# KiCad board fieldRadio_1.1.kicad_pcb (continued)
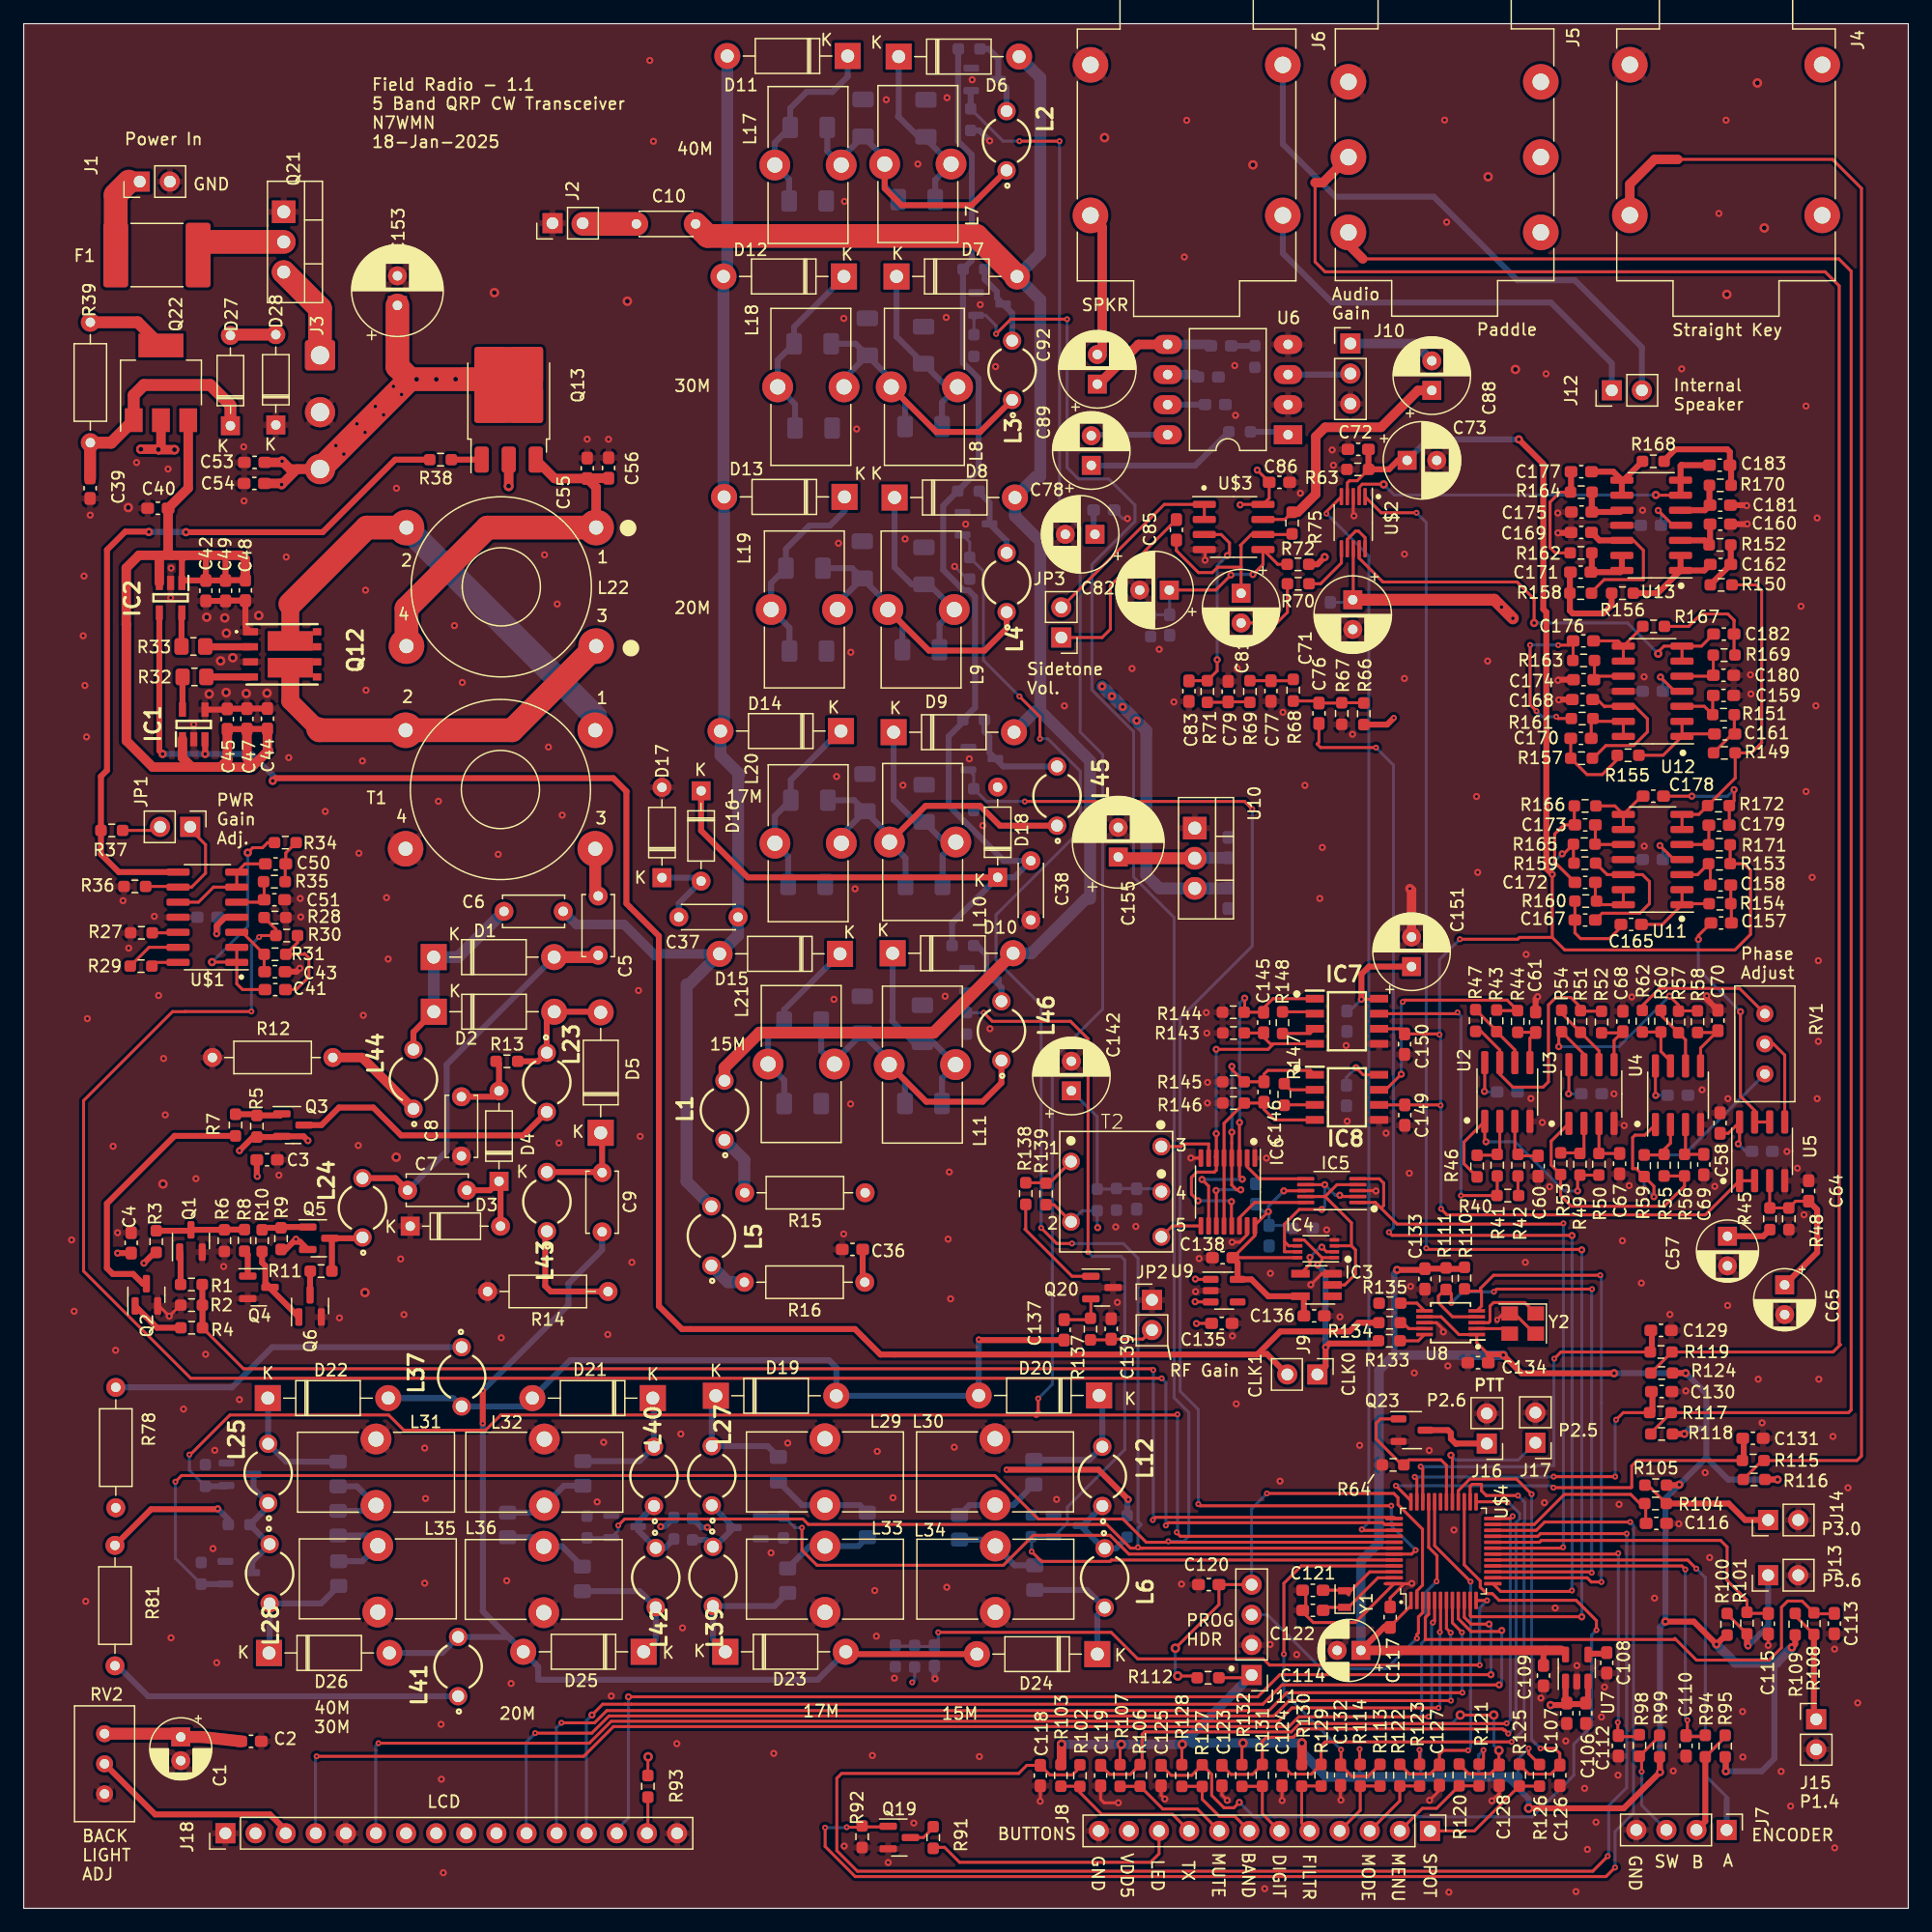
[diagram p0: board, top side]
## Nets (continued)
/Audio/audio_out: C92.2 J6.T
/Audio/audio_wide: C183.2 U13.6 U13.7 U$2.2
/Audio/filt_sel: U$2.1 U$4.11
/Audio/mute: U$2.5 U$4.39
/Audio/SIDETONE: C76.2 U$4.13
/Audio/vbias: C72.1 C73.1 C149.1 C150.2 IC7.6 IC8.6 R63.2 R153.1 R159.1 R165.1 R171.1 U5.1 U5.2 U$2.4
/AudioFilters/HPLP Filters/in: C157.1 U5.6 U5.7
/AudioFilters/I: IC7.7 R40.1 R41.1
/AudioFilters/Q: IC8.7 R43.1 R44.1
/BTN_BAND_SEL: J8.7 R127.1 R128.1
/BTN_DIGIT_SEL: J8.6 R131.1 R132.1
/BTN_FILTER_SEL: J8.5 R129.1 R130.1
/BTN_MENU: J8.2 R120.1 R121.2
/BTN_MODE: J8.3 R122.1 R123.1
/BTN_MUTE: J8.8 R106.2 R107.2
/BTN_NOT_USED: J8.4 R113.2 R114.2
/BTN_SPOT: J8.1 R125.1 R126.1
/BTN_TXMODE: J8.9 R102.2 R103.2
/clock/CLK1: IC1.3 IC2.4 J9.2 R134.2
/clock/CLK2: R135.2
/clock/SCL: R111.2 U8.4 U$4.15
/clock/SDA: R110.2 U8.5 U$4.14
/controller/CWTX_OUT: R28.1 R30.2 U$4.38
/controller/P1.4: J15.1 R108.1 R109.1
/controller/P3.0: J14.1 R104.1 R105.1
/controller/P5.6: J13.1 R100.1 R101.1
/controller/SIDEBAND_SEL: IC5.1 IC5.5 U$4.19
/ENCODER_A: J7.1 R96.1 R97.2
/ENCODER_B: J7.2 R94.1 R95.2
/ENCODER_SW: J7.3 R98.1 R99.2
/LCD_A: J18.15 R93.2
/LCD_DB4: J18.11 U$4.7
/LCD_DB5: J18.12 U$4.8
/LCD_DB6: J18.13 U$4.9
/LCD_DB7: J18.14 U$4.10
/LCD_E: J18.6 U$4.6
/LCD_RS: J18.4 U$4.5
/LCD_VO: J18.3 RV2.2
/LPF/antenna: C10.1 J2.2
/LPF/HV: C38.1 D16.1 D18.1 R17.2 R18.2 R19.2 R20.2 R21.2
/LPF/trswitch: C6.2 C37.2 D11.2 D12.2 D13.2 D14.2 D15.2 L5.2
/PADDLE_DAH: J5.T R117.2 R118.2
/PADDLE_DIT: J5.R R119.2 R124.2
/powerInput/PWR_IN: F1.1 J1.1
/powerInput/PWR_SWTCH: J3.1 Q21.3
/Preselector/input: C9.2 D23.2 D24.2 D25.2 D26.2 L41.2
/qsd/0-DEG: C145.2 IC6.6 IC6.13 IC7.4 R143.2
/qsd/90-DEG: C146.1 IC6.5 IC6.12 IC8.4 R146.2
/qsd/180-DEG: C145.1 IC6.3 IC6.10 IC7.1 R144.2
/qsd/270-DEG: C146.2 IC6.4 IC6.11 IC8.1 R145.2
/qsd/CLK0: IC4.1 IC4.5 J9.1 R133.2
/qsd/ICLK: IC5.10 IC6.14
/qsd/P0: IC4.6 IC4.7 IC5.2 IC5.7
/qsd/P1: IC3.2 IC4.3 IC5.4 IC5.9
/qsd/QCLK: IC5.6 IC6.2
/qsd/rf_in: C137.2 D19.2 D20.2 D21.2 D22.2 L37.2
/STRAIGHT_KEY: J4.T R115.2 R116.2
/TRSwitch/power_amp: C5.1 T1.3
/TRSwitch/~{T}/R: R1.1 R2.2 R4.1 U$4.37
/TX_LED: J8.10 R91.2
Net-(C16-Pad1): C16.1 C21.1 C26.2 L2.1 L7.1 L17.2
Net-(C17-Pad1): C17.1 C22.1 C27.2 L3.1 L8.1 L18.2
Net-(C18-Pad1): C18.1 C23.1 C28.2 L4.1 L9.1 L19.2
Net-(C19-Pad1): C19.1 C24.1 C29.2 L10.1 L20.2 L45.1
Net-(C20-Pad1): C20.1 C25.1 C30.2 L11.1 L21.2 L46.1
Net-(C41-Pad1): C41.1 R30.1 R31.2
Net-(C50-Pad1): C50.1 R34.1 R35.2
Net-(C76-Pad1): C76.1 R66.1 R67.2 R68.1
Net-(C77-Pad2): C77.2 R68.2 R69.1
Net-(C79-Pad2): C79.2 R69.2 R71.1
Net-(C81-+): C81.1 C85.2 R75.1 U$3.6
Net-(C81--): C81.2 R70.2
Net-(C82-+): C82.1 C84.2 R72.2 R73.1 U$3.5
Net-(C85-Pad1): C85.1 JP3.1
Net-(C88-+): C88.1 R75.2 U$3.7
Net-(C88--): C88.2 J10.1
Net-(C89-+): C89.1 R76.2
Net-(C89--): C89.2 U6.8
Net-(C91-Pad1): C91.1 R77.1
Net-(C92-+): C91.2 C92.1 U6.5
Net-(C93-Pad1): C93.1 C97.2 L29.1
Net-(C94-Pad1): C94.1 C98.2 L30.1
Net-(C95-Pad1): C95.1 C99.2 L31.1
Net-(C100-Pad1): C100.1 C104.2 L36.1
Net-(C100-Pad2): C96.1 C100.2 L32.1
Net-(C101-Pad2): C97.1 C101.2 L33.1
Net-(C102-Pad2): C98.1 C102.2 L34.1
Net-(C103-Pad2): C99.1 C103.2 L35.1
Net-(C139-Pad2): C139.2 JP2.2 R137.1
Net-(C142-+): C141.2 C142.1 R140.1 R141.2 T2.4
Net-(C157-Pad2): C157.2 C158.1 R154.1
Net-(C161-Pad1): C161.1 R149.2 R151.1
Net-(C162-Pad1): C162.1 R150.2 R152.1
Net-(C165-Pad2): C165.2 C167.1 R160.1
Net-(C170-Pad1): C170.1 R155.2 R157.1
Net-(C171-Pad1): C171.1 R156.2 R158.1
Net-(C172-Pad2): C172.2 C173.1 R166.1
Net-(C176-Pad1): C176.1 R161.2 R163.1
Net-(C177-Pad1): C177.1 R162.2 R164.1
Net-(C178-Pad2): C178.2 C179.1 R172.1
Net-(C182-Pad1): C182.1 R167.2 R169.1
Net-(C183-Pad1): C183.1 R168.2 R170.1
Net-(D1-A): C5.2 C7.1 D1.2 L24.2
Net-(D1-K): C6.1 D1.1 D2.1 L44.2
Net-(D2-A): D2.2 D5.2 L23.1 R13.2
Net-(D3-A): C7.2 D3.2 D4.1
Net-(D4-A): C8.2 D4.2 R13.1
Net-(D5-K): C9.1 D5.1 L43.2
Net-(D6-K): C11.1 C16.2 D6.1 L7.2
Net-(D7-K): C12.1 C17.2 D7.1 L8.2
Net-(D8-K): C13.1 C18.2 D8.1 L9.2
Net-(D9-K): C14.1 C19.2 D9.1 L10.2
Net-(D10-A): C10.2 D6.2 D7.2 D8.2 D9.2 D10.2 L1.2
Net-(D10-K): C15.1 C20.2 D10.1 L11.2
Net-(D11-K): C26.1 C31.1 D11.1 L17.1
Net-(D12-K): C27.1 C32.1 D12.1 L18.1
Net-(D13-K): C28.1 C33.1 D13.1 L19.1
Net-(D14-K): C29.1 C34.1 D14.1 L20.1
Net-(D15-K): C30.1 C35.1 D15.1 L21.1
Net-(D16-A): C37.1 D16.2 D17.1
Net-(D19-K): C93.2 D19.1 L27.2
Net-(D20-K): C94.2 D20.1 L12.2
Net-(D21-K): C96.2 D21.1 L40.2
Net-(D22-K): C95.2 D22.1 L25.2
Net-(D23-K): C101.1 D23.1 L39.2
Net-(D24-K): C102.1 D24.1 L6.2
Net-(D25-K): C104.1 D25.1 L42.2
Net-(D26-K): C103.1 D26.1 L28.2
Net-(D27-A): D27.2 D28.2
Net-(D27-K): C39.2 D27.1 Q22.1 R39.2
Net-(IC1-OUT): IC1.5 R32.1
Net-(IC2-OUT): IC2.5 R33.1
Net-(IC3-Y): IC3.4 IC4.2
Net-(IC6-1A): IC6.7 T2.3
Net-(IC6-2A): IC6.9 T2.5
Net-(IC7-RG_1): IC7.2 R148.1
Net-(IC7-RG_2): IC7.3 R148.2
Net-(IC8-RG_1): IC8.2 R147.1
Net-(IC8-RG_2): IC8.3 R147.2
Net-(J10-Pin_2): J10.2 U6.3
Net-(J11-Pin_3): J11.3 U$4.3
Net-(J11-Pin_4): C120.2 J11.4 R112.1 U$4.2
Net-(J12-Pin_1): J6.TN J12.1
Net-(J12-Pin_2): J6.SN J12.2
Net-(J16-Pin_1): J16.1 Q23.3
Net-(J17-Pin_1): J17.1 U$4.29
Net-(JP1-Pad2): JP1.2 R37.1
Net-(L1-Pad1): L1.1 R15.2
Net-(L5-Pad1): L5.1 R16.2
Net-(L37-Pad1): L37.1 R78.2
Net-(L41-Pad1): L41.1 R81.2
Net-(L43-Pad1): L43.1 R14.1
Net-(L44-Pad1): L44.1 R12.1
Net-(Q1-B): Q1.1 R1.2
Net-(Q1-C): Q1.3 R3.1 R6.2 R8.1
Net-(Q2-B): Q2.1 R4.2
Net-(Q2-C): Q2.3 R7.1
Net-(Q3-D): L23.2 Q3.3
Net-(Q3-G): Q3.1 R5.2 R7.2
Net-(Q4-B): Q4.1 R8.2
Net-(Q4-C): Q4.3 Q6.1 R10.1
Net-(Q5-D): L24.1 Q5.3 R11.2
Net-(Q5-G): Q5.1 R9.2 R10.2
Net-(Q6-D): Q6.3 R11.1
Net-(Q7-D): L2.2 Q7.3 R18.1
Net-(Q8-D): L3.2 Q8.3 R19.1
Net-(Q9-D): L4.2 Q9.3 R20.1
Net-(Q10-D): L45.2 Q10.3 R21.1
Net-(Q11-D): L46.2 Q11.3 R17.1
Net-(Q12A-D): L22.2 Q12.6 T1.1
Net-(Q12A-G): Q12.2 R33.2
Net-(Q12B-D): L22.3 Q12.5 T1.2
Net-(Q12B-G): Q12.4 R32.2
Net-(Q13-B): Q13.1 R38.1
Net-(Q13-E): C55.2 C56.2 L22.1 L22.4 Q13.3
Net-(Q14-D): L25.1 L28.1 Q14.3 Q18.3 R80.1
Net-(Q15-D): L27.1 L39.1 Q15.3 R83.1
Net-(Q16-D): L6.1 L12.1 Q16.3 R86.1
Net-(Q17-D): L40.1 L42.1 Q17.3 R87.1
Net-(Q19-D): Q19.3 R91.1
Net-(Q19-G): Q19.1 R92.2 U$4.22
Net-(Q20-D): Q20.1 R138.2
Net-(Q20-S): C137.1 Q20.2 R137.2
Net-(Q21-D): F1.2 Q21.2
Net-(Q23-G): Q23.1 R64.2 U$4.30
Net-(R40-Pad2): R40.2 R42.1
Net-(R46-Pad2): R46.2 R49.1 R50.1 U2.1
Net-(R47-Pad2): R47.2 R51.1 R52.1 U2.7
Net-(R53-Pad2): R53.2 R55.1 R56.1 U3.1
Net-(R54-Pad2): R54.2 R57.1 R58.1 U3.7
Net-(R59-Pad2): R59.2 R61.1 U4.1
Net-(R60-Pad2): R60.2 R62.1 U4.7
Net-(R61-Pad2): R61.2 RV1.1
Net-(R62-Pad2): R62.2 RV1.3
Net-(R76-Pad1): R76.1 U6.1
Net-(R138-Pad1): R138.1 R139.2 T2.1
Net-(U2A-+): C60.1 R42.2 U2.3
Net-(U2A--): R41.2 R46.1 U2.2
Net-(U2B-+): C61.1 R44.2 U2.5
Net-(U2B--): R43.2 R47.1 U2.6
Net-(U3A-+): C67.1 R50.2 U3.3
Net-(U3A--): R49.2 R53.1 U3.2
Net-(U3B-+): C68.1 R52.2 U3.5
Net-(U3B--): R51.2 R54.1 U3.6
Net-(U4A-+): C69.1 R56.2 U4.3
Net-(U4A--): R55.2 R59.1 U4.2
Net-(U4B-+): C70.1 R58.2 U4.5
Net-(U4B--): R57.2 R60.1 U4.6
Net-(U5A-+): C64.1 C65.1 R45.2 R48.2 U5.3
Net-(U5B-+): RV1.2 U5.5
Net-(U6-BYPASS): C90.2 U6.7
Net-(U7-BP): C108.1 U7.4
Net-(U8-CLK0): R133.1 U8.10
Net-(U8-CLK1): R134.1 U8.9
Net-(U8-CLK2): R135.1 U8.6
Net-(U8-XA): U8.2 Y2.3
Net-(U8-XB): U8.3 Y2.1
Net-(U11A-+): C158.2 R153.2 U11.3
Net-(U11A--): C165.1 R154.2 U11.1 U11.2
Net-(U11B-+): C179.2 R171.2 U11.5
Net-(U11B--): R149.1 R150.1 R172.2 U11.6 U11.7
Net-(U11C-+): C173.2 R165.2 U11.10
Net-(U11C--): C178.1 R166.2 U11.8 U11.9
Net-(U11D-+): C167.2 R159.2 U11.12
Net-(U11D--): C172.1 R160.2 U11.13 U11.14
Net-(U12A-+): C159.1 R151.2 U12.3
Net-(U12A--): C161.2 R155.1 U12.1 U12.2
Net-(U12B-+): C180.1 R169.2 U12.5
Net-(U12C-+): C174.1 R163.2 U12.10
Net-(U12C--): C176.2 R167.1 U12.8 U12.9
Net-(U12D-+): C168.1 R157.2 U12.12
Net-(U12D--): C170.2 R161.1 U12.13 U12.14
Net-(U13A-+): C160.1 R152.2 U13.3
Net-(U13A--): C162.2 R156.1 U13.1 U13.2
Net-(U13B-+): C181.1 R170.2 U13.5
Net-(U13C-+): C175.1 R164.2 U13.10
Net-(U13C--): C177.2 R168.1 U13.8 U13.9
Net-(U13D-+): C169.1 R158.2 U13.12
Net-(U13D--): C171.2 R162.1 U13.13 U13.14
Net-(U$1A-+IN): C43.1 R31.1 U$1.3
Net-(U$1A--IN): C41.2 R34.2 U$1.1 U$1.2
Net-(U$1B-+IN): C51.1 R35.1 U$1.5
Net-(U$1B--IN): C50.2 U$1.6 U$1.7 U$1.10
Net-(U$1C--IN): JP1.1 R36.1 U$1.9
Net-(U$1C-OUT): R37.2 R38.2 U$1.8
Net-(U$1D-+IN): R27.2 U$1.12
Net-(U$1D--IN): R29.2 U$1.13
Net-(U$1D-OUT): R29.1 U$1.14
Net-(U$2-COM1): U$2.7 U$2.10
Net-(U$2-COM2): R70.1 U$2.6
Net-(U$3B-+IN): C83.2 R71.2 U$3.3
Net-(U$3B--IN): JP3.2 U$3.1 U$3.2
Net-(U$4-P1.0/UCB0STE/TA0CLK/A0/VEREF+): C105.1 R89.2 R90.1 U$4.12
Net-(U$4-P1.4/UCA0TXD/UCA0SIMO/TA1.2/TCK/A4/VREF+): C113.1 R108.2 U$4.4
Net-(U$4-P2.0/XOUT): C121.2 U$4.46 Y1.2
Net-(U$4-P2.1/XIN): C122.2 U$4.47 Y1.1
Net-(U$4-P2.2/ACLK/COMP0.1): C110.1 R94.2 U$4.16
Net-(U$4-P2.3/TA2.0): C123.1 R131.2 U$4.25
Net-(U$4-P2.4/UCA1CLK): C126.1 R125.2 U$4.28
Net-(U$4-P2.7/UCB1STE): C131.1 R115.1 U$4.36
Net-(U$4-P3.0/TA2.2): C116.1 R104.2 U$4.23
Net-(U$4-P3.1/UCA1STE): C125.1 R127.2 U$4.27
Net-(U$4-P3.3/TA2.1): C119.1 R106.1 U$4.24
Net-(U$4-P3.4/TA2CLK/COMP0OUT): C124.1 R129.2 U$4.26
Net-(U$4-P3.7/TA3.2): C127.1 R122.2 U$4.32
Net-(U$4-P4.0/TA3.1): C128.1 R120.2 U$4.33
Net-(U$4-P4.1/TA3.0): C129.1 R119.1 U$4.34
Net-(U$4-P4.2/TA3CLK): C130.1 R117.1 U$4.35
Net-(U$4-P4.5/UCB0SOMI/UCB0SCL/TA3.2): C111.1 R96.2 U$4.17
Net-(U$4-P4.6/UCB0SIMO/UCB0SDA/TA3.1): C112.1 R98.2 U$4.18
Net-(U$4-P5.2/UCA0TXD/UCA0SIMO/TB0.4): C132.1 R113.1 U$4.45
Net-(U$4-P5.6/UCB0STE/TA2.0): C115.1 R100.2 U$4.20
Net-(U$4-P5.7/TA2.1/COMP0.2): C118.1 R102.1 U$4.21

Pads without a net: IC3 1; J4 SN TN; J5 RN SN TN; J18 7 8 9 10; U9 4; U$4 31

## Via types
v1: diameter 0.6, hole 0.25, Top to Bottom, 357 vias
v2: diameter 0.8, hole 0.4, Top to Bottom, 42 vias
v3: diameter 0.7, hole 0.3, Top to Bottom, 42 vias
v4: diameter 0.5, hole 0.2, Top to Bottom, 119 vias

## Routing (per net, layer and track width the routed paths; a pad name or vN(x,y) marks a point on that pad's centre or on a via; arc(x,y) is an arc through that point)
/powerAmp/VCC5.0: length 83.7
  Top w0.5: 16.87,114.15 17.03,114 C49.1 ; C49.1 C42.2 ; C49.1 17.05,112.05 C48.1 ; C42.2 13.55,112.03 IC2.1 13.34,113.75 13.74,114.15 ; C42.2 15.37,114.12 15.34,114.15 ; C44.2 18.84,99.5 C47.1 17.19,99.49 C45.1
  Top w0.8: 12.44,114.15 18.37,114.15 18.7,113.82 C48.1 ; 12.44,114.15 11.4,114.15 ; 12.44,114.15 12.15,114.44 12.18,114.47 C40.2 13.88,119.82 Q22.3 ; 17.17,96.99 C45.1 ; 17.24,96.92 16.6,96.28 14.18,96.28 13.39,97.07 IC1.1 ; C44.2 20.56,97.76 20.64,97.68 19.24,96.28 10.88,96.28 8.66,98.5 8.66,108.31 8.65,108.32 8.65,113.08 9.72,114.15 11.4,114.15 ; 11.4,114.15 11.44,114.11 IC2.3 ; C47.1 18.83,97.05 18.96,96.92
/qsd/VCC3.3: length 29
  Top w0.25: v1(106.31,60.53) 108.14,60.53 IC5.8 ; IC4.8 C138.2 ; C138.2 103.87,56.75 IC6.16 103.87,57.64 v1(105.01,58.78) ; C138.2 102.42,54.49 ; 108.01,51.35 IC3.5
  Top w0.5: C136.2 108.01,51.35 ; 102.42,54.49 U9.5 103.58,53.06 105,51.64 IC3.5
  Bottom w0.25: v1(105.01,58.78) 104.57,58.78 C144.1 ; v1(105.01,58.78) 105.01,59.23 v1(106.31,60.53) ; v1(105.01,58.78) 105.07,58.72 C143.1 106.81,57.6 C140.2
GND: length 80.4
  Top w0.25: Q2.2 11.42,50.82 v1(12.28,49.96) 13.21,50.89 R2.1 ; IC6.15 103.22,56.84 102.58,56.2 v1(101.95,56.2) ; U$4.48 112.35,24.11 108.8,24.11 108.19,24.72 108.19,25.12 108.16,25.14 108.16,26.84 ; U$4.48 114.85,27.38 ; U$4.48 116.49,27.38 ; v1(99.67,113.74) 99.67,114.57 U$3.4 ; 147.19,23.24 147.19,22.19 v1(147.18,22.18) ; IC3.3 109.52,53.54 v1(108.59,52.61) ; C127.2 119.44,9.94 v1(118.61,9.11) ; v1(92.35,8.9) 91.15,8.9 90.86,9.19 C119.2 ; v1(101.54,9.11) 101.09,9.56 C123.2 ; 116.49,27.38 117.09,27.38 v1(117.11,27.41) ; 116.49,27.38 115.28,26.18 115.28,25.34 ; C124.2 106.16,9.1 v1(106.17,9.09) ; C125.2 95.96,9.53 v1(96.27,9.22) ; v4(124.31,49.65) 124.84,50.18 Y2.2 125.77,50.18 127.47,48.48 Y2.4 ; U8.8 119.19,49.41 119.77,48.82 v1(119.77,48.63) ; v1(114.09,60.52) 114.06,60.55 IC5.3 ; v1(111.13,9.13) 111.1,9.16 C132.2 ; C128.2 124.49,9.69 v1(123.87,9.07) ; v1(112.23,117.48) 112.17,117.54 U$2.3 ; IC6.8 98.47,63.3 v1(98.47,63.3) ; v1(85.76,9.03) 85.77,9.04 C118.2
  Top w0.5: C43.2 23.01,79.02 v1(23.3,79.31) ; C174.2 129.5,103.66 v1(129.44,103.6) ; 142.94,75.76 141.99,76.72 v1(141.99,76.98) ; v1(129.51,101.95) 129.54,101.98 C168.2 ; C42.1 C49.2 17.05,110.33 C48.2 18.7,108.13 Q12.1 ; C44.1 18.84,101.22 C47.2 17.19,101.21 C45.2 17.11,101.13 IC1.4 ; v1(145.37,118.34) 145.33,118.38 C181.2 ; v1(129.44,116.04) 130.51,116.04 C169.2 ; C61.2 127.56,76.74 v1(127.73,76.91) ; C160.2 145.39,116.78 v1(145.41,116.8)
  Top w0.8: C151.2 117.09,85.89 v1(116.95,86.03)
  Bottom w0.25: v1(93.12,117.25) 92.71,117.25 C74.1 ; v1(78.54,113.21) 79.6,112.15 R25.1
  Bottom w0.5: R22.1 80.62,150 v1(81.5,149.12) ; 76.84,20.51 76.84,19.42 v1(76.89,19.37)
  vias: v1(4.04,56.39) v1(4.25,50.37) v1(5.09,112.4) v1(5.02,107.36) v1(5.16,103.17) v1(5.3,98.83) v1(5.23,25.9) v1(5.37,75.06) v1(5.61,117.54) v1(7.54,64.29) v1(7.75,47.08) v1(7.92,57) v1(8.38,85.01) v1(8.86,81.01) v1(9.52,121.98) v1(11.02,83.69) v1(11.38,77.01) v1(11.8,71.7) v1(11.94,66.94) v1(12.18,121.43) v1(12.39,110.57) v1(12.43,113.07) v1(12.43,22.82) v1(13.48,42.12) v1(14.34,99.88) v1(14.53,61.56) v1(15.35,46.74) v1(15.97,30.35) v1(16.12,38.64) v1(16.28,20.72) v1(16.87,54.15) v1(18.2,42.92) v1(18.56,123.3) v1(18.59,118.74) v1(21.53,61.85) v1(22.15,114.01) v1(22.36,97.08) v1(23.33,85.2) v1(23.37,83.64) v1(25.44,92.54) v1(26.64,49.81) v1(28.28,89.02) v1(28.23,64.36) v1(28.58,96.8) v1(28.65,75.34) v1(28.84,111.21) v1(28.88,102.77) v1(30.61,85.27) v1(30.75,80.09) v1(31.45,119.81) v1(31.8,54.78) v1(32.08,50.09) v1(33.83,38.83) v1(33.83,27.43) v1(33.9,34.57) v1(34.99,93.4) v1(35.21,15.52) v1(35.24,10.89) v1(35.4,3) v1(36.34,108.22) v1(37,103.42) v1(40.03,88.92) v1(40.29,48.14) v1(40.75,27.64) v1(41.12,18.97) v1(43.94,114.19) v1(44.27,97.97) v1(45.01,110.04) v1(45.16,64.57) v1(45.43,92.23) v1(47.54,123.95) v1(48.38,34.29) v1(48.93,39.32) v1(49.28,48.41) v1(49.34,123.94) v1(49.57,17.91) v1(51.31,54.5) v1(51.87,77.43) v1(52.01,65.13) v1(52.82,155.9) v1(53.13,149.08) v1(55.1,13.89) v1(55.44,40.02) v1(55.58,23.66) v1(63.05,29.99) v1(63.28,13.07) v1(64.46,39.25) v1(68.36,76.69) v1(68.58,95.49) v1(68.74,115.17) v1(69.19,134.14) v1(69.18,56.89) v1(69.25,144.01) v1(69.22,5.25) v1(69.78,105.97) v1(69.76,67.86) v1(70.14,86.01) v1(70.27,124.81) v1(71.6,12.89) v1(71.8,26.81) v1(71.94,22.96) v1(72.01,38.55) v1(72.77,152.59) v1(72.94,3.86) v1(73.34,34.64) v1(73.46,19.42) v1(74.18,94.75) v1(74.36,115.53) v1(75.09,7.19) v1(75.44,147.16) v1(77.74,76.95) v1(77.83,134.22) v1(77.88,27.09) v1(77.9,152.76) v1(77.99,56.46) v1(78.09,62.12) v1(78.2,51.42) v1(78.51,38.9) v1(79.47,116.78) v1(79.78,96.98) v1(80.02,154.27) v1(80.7,135.3) v1(80.63,12.8) v1(80.92,91.35) v1(81.52,74.21) v1(81.99,130.07) v1(87.14,34.5) v1(87.8,101.45) v1(92.13,57.49) v1(92.27,51.12) v1(93.51,104.6) v1(93.83,57.53) v1(95.8,106.22) v1(97.04,101.78) v1(97.68,27.35) v1(97.92,139.32) v1(98.12,150.85) v1(98.87,52.03) v1(99.17,54.82) v1(99.77,75.57) v1(99.82,73.84) v1(99.88,69.68) v1(99.87,67.94) v1(101.98,48.29) v1(102.17,130.16) v1(102.24,125.96) v1(102.38,104.62) v1(102.3,42.56) v1(104.7,1.66) v1(104.85,63.29) v1(105.18,53.57) v1(105.16,22.26) v1(105.99,36.04) v1(106.24,100.91) v1(107.4,21.41) v1(107.71,119.39) v1(108.09,94.74) v1(109.35,85.2) v1(109.56,89.5) v1(109.93,57.24) v1(110.39,123.04) v1(110.5,121.75) v1(111.05,49.9) v1(111.57,72.79) v1(111.66,66.41) v1(112.11,99.05) v1(112.71,39.06) v1(114.94,65.4) v1(116.49,114.25) v1(116.49,103.76) v1(116.9,62.02) v1(117.01,52.47) v1(117.32,45.17) v1(118.58,38.63) v1(119.88,150.87) v1(120.05,142.26) v1(120.15,45.76) v1(120.24,1.36) v1(120.67,31.92) v1(122.57,93.8) v1(122.67,87.4) v1(123.51,105.23) v1(126.69,54.5) v1(126.76,80.48) v1(127.16,68.32) v1(128,17.74) v1(128.12,66.3) v1(128.3,34.22) v1(128.44,129.46) v1(128.74,60.88) v1(129.21,25.34) v1(129.43,117.72) v1(130.1,14.12) v1(130.96,1.41) v1(131.04,20.48) v1(131.69,10.12) v1(131.93,4.97) v1(132.65,7.27) v1(133.11,16.14) v1(133.37,18.67) v1(134.17,68.71) v1(134.6,34.08) v1(134.51,11.23) v1(134.88,56.32) v1(135.03,66.04) v1(135.45,60.97) v1(135.67,76.89) v1(136.48,52.75) v1(136.58,117.95) v1(136.71,103.9) v1(136.72,89.61) v1(137.59,26.17) v1(138.89,50.1) v1(139.17,11.59) v1(139.64,32.44) v1(139.88,129.88) v1(140.22,43.65) v1(141.6,69.05) v1(141.86,36.76) v1(142.24,29.59) v1(142.67,60.91) v1(143.02,142.99) v1(143.62,150.86) v1(143.78,68.31) v1(143.76,50.86) v1(145.02,16.6) v1(145.04,12.76) v1(145.68,104.07) v1(145.72,102.45) v1(146.34,44.64) v1(146.66,40.96) v1(148.27,11.55) v1(148.76,63.85) v1(149.07,8.62) v1(149.64,62.44) v1(149.95,109.85) v1(150.2,58.51) v1(150.37,126.74) v1(150.37,94.22) v1(150.89,86.98) v1(151.2,101.46) v1(151.31,117.3) v1(151.31,68.31) v1(151.41,79.95) v1(151.41,73.14) v1(151.45,44.64) v1(152.64,39.81) v1(152.78,21.87) v1(152.79,5.1) v1(153.91,35.48) v1(154.73,17.33) v2(8.82,118.18) v2(11.75,61.11) v2(15.44,108.93) v2(15.65,102.45) v2(16.61,105.24) v2(16.96,108.87) v2(17.1,107.58) v2(17.08,102.58) v2(17.64,105.51) v2(18.78,102.49) v2(19.83,109.07) v2(20.53,102.52) v2(28.79,51.95) v2(31.43,63.37) v2(39.71,136.31) v2(50.93,135.59) v2(91.19,149.39) v2(103.71,147.09) v2(123.55,146.09) v2(125.85,129.83) v2(143.69,136.16) v2(146.27,154) v2(146.85,141.77)
VDD3.3: length 271.1
  Top w0.25: 140.1,40.02 v3(140.11,40.03) ; 123.84,46.74 123.56,46.47 C134.1 ; R132.2 102.78,13.85 v2(102.87,13.94) ; R123.2 117.76,12.15 v4(117.76,13.37) ; R112.2 103.37,19.45 J11.1 ; v2(92.6,13.83) 92.5,13.73 R107.1 ; v2(97.75,13.83) 97.71,13.79 R128.2 ; v4(126.97,13.49) 126.97,13.05 R126.2 ; R114.1 112.71,12.19 v4(112.71,13.43) ; 114.84,23.78 115.28,23.78 117.03,25.53 U$4.1 ; 123.56,46.74 122.59,47.72 U8.1 121.09,48.41 119.59,49.91 U8.7 ; v4(123.16,13.35) 123.16,12.57 ; 139.64,35.7 v3(139.68,35.74) ; 147.96,36.18 v3(147.97,36.17) ; 124.76,46.74 v3(124.83,46.67) ; 140.21,45.16 v3(140.22,45.15)
  Top w0.5: 114.84,23.78 C114.1 ; 146.81,36.18 147.96,36.18 ; 139.01,40.02 140.1,40.02 ; 124.76,46.74 123.56,46.74 ; 128.42,21.76 128.22,21.56 128.22,20.41 ; 138.01,12.86 138.05,12.82 v3(138.05,11.49) 135,8.44 v2(126.97,8.44) ; v3(149.17,22) 149.46,22.29 149.46,23.15 ; 138.52,35.7 139.64,35.7 ; 129.73,21.76 U7.5 ; 143.55,12.86 143.61,12.8 v3(143.61,11.56) ; 143.72,23.13 143.69,23.13 v3(142.82,22.27) 140.9,24.19 v3(138.51,24.19) ; 121.56,54 121.51,53.94 120,53.94 119.98,53.96 C133.1 118.12,53.86 v3(115.87,53.86) ; v3(124.83,46.67) 126.36,45.14 v3(134.18,45.14) ; 139.02,45.16 140.21,45.16
  Top w0.8: v2(107.84,13.94) 107.84,12.15 R130.2 ; R103.1 87.56,12.18 v2(87.56,13.84) ; 129.73,21.76 C114.1
  Bottom w0.25: 117.87,11.08 117.87,13.26 v4(117.76,13.37) ; 126.08,11.08 126.08,12.6 v4(126.97,13.49) ; v4(112.71,13.43) 112.71,11.37 113,11.08 ; 122.76,11.08 122.76,12.95 v4(123.16,13.35) ; 103.37,19.45 J11.1
  Bottom w0.5: v2(126.97,8.44) 126.97,9.24 125.13,11.08 ; 141.96,40.48 140.56,40.48 v3(140.11,40.03) ; 141.96,40.48 141.96,43.41 v3(140.22,45.15) 134.19,45.15 v3(134.18,45.14) ; 141.96,40.48 141.96,38.02 ; v3(115.87,53.86) 115.64,53.63 115.64,46.67 115.63,46.68 ; v3(147.97,36.17) 143.81,36.17 141.96,38.02 ; 141.96,38.02 v3(139.68,35.74) 138.51,34.57 v3(138.51,24.19) 138.05,23.73 v3(138.05,11.49) ; 143.55,12.84 143.55,11.62 v3(143.61,11.56) 146.63,11.56 147.7,12.63 147.7,20.53 147.92,20.75
  Bottom w0.8: v3(149.17,22) 147.92,20.75 147.92,20.7 144.39,20.7 v3(142.82,22.27) ; 98.24,14.31 v2(97.75,13.83) v2(92.6,13.83) 87.57,13.83 v2(87.56,13.84) ; 98.24,14.31 J11.1 ; 98.24,14.31 98.61,13.94 v2(102.87,13.94) v2(107.84,13.94) 107.84,13.15 109.91,11.08 126.08,11.08 ; C114.1 112.82,29.29 114.34,30.81 114.34,45.39 115.63,46.68 ; 115.64,46.67 v3(124.83,46.67)
VDD5: length 105.8
  Top w0.25: C58.1 143.81,65.38 U5.8 144.76,64.61 v1(144.65,64.49) ; IC8.8 113,70.32 v1(112.41,70.92) ; v1(138.05,89.66) 139.23,88.48 U11.4 ; v1(123.24,68.92) 123.26,68.95 U2.8 ; U4.8 137.66,68.61 v1(137.69,68.58) ; U9.1 98.88,53.06 v1(98.85,53.09) ; U12.4 139.29,102.68 v1(138.09,103.88) ; v1(98.94,49.34) 98.95,49.35 C135.2 ; C71.1 112.17,110.44 U$2.8 ; U13.4 139.15,116.68 v1(137.9,117.93) ; R139.1 86.92,59.36 T2.2 ; 114.35,76.75 IC7.8 114.3,76.69 v1(112.86,76.69) ; 19.81,6.35 19.54,6.62 ; U9.3 98.85,51.16 v1(98.83,51.18) ; U3.8 130.37,68.74 v1(130.34,68.71) ; R93.1 52.66,12.76 v2(52.68,12.78)
  Top w0.5: v1(112.86,76.69) 112.86,78.82 113.49,79.45 C151.1 ; U7.1 130.08,17.34 130.19,17.23 ; 131.79,17.23 130.19,17.23 ; 131.79,17.23 131.99,17.43 ; 131.79,17.23 131.98,17.42 U7.3 ; 130.19,17.23 130.1,17.15 v3(128.82,17.15) ; R45.1 146.76,56.7 C57.1
  Top w1: C155.1 92.44,88.59 U10.2 ; C2.1 15.05,14.46 C1.1 12.98,14.73 RV2.1 ; v3(125.64,108.83) 124.07,110.4 C71.1
  Bottom w0.25: v1(90.61,57.43) 90.57,57.47 R140.2 89.3,58.86 T2.2 ; C80.2 111.91,110.18 C71.1 ; v1(112.86,76.69) 111.87,75.7 C147.2 ; C163.2 138.3,89.41 v1(138.05,89.66) ; v1(130.34,68.71) 130.35,68.72 C62.1 ; 98.84,88.63 U10.2 ; C59.1 123.29,68.87 v1(123.24,68.92) ; v1(144.65,64.49) 145.28,63.86 C66.1 ; C164.2 138.3,103.67 v1(138.09,103.88) ; v1(137.9,117.93) 138.15,117.68 C166.2 ; v1(137.69,68.58) 137.71,68.6 C63.1 ; C148.2 111.6,70.11 v1(112.41,70.92)
  Bottom w1: C156.1 98.84,88.63
  vias: v3(124.68,109.78)
VDD12: length 145.6
  Top w0.25: v1(102.63,118.41) 102.66,118.44 104.56,118.44 105.08,118.97 C86.2 105.08,120.33 v1(104.07,121.34)
  Top w0.5: R9.1 22.11,55.59 22.75,56.24 ; C3.1 19.67,61.79 v1(19.71,61.75) ; U$1.4 17,83.62 16.28,82.89 v1(16.28,82.22) ; R16.1 70.78,53 C36.2 ; v3(109.76,114) 109.15,113.39 R72.1 ; R3.2 11.05,55.34 v1(10.14,54.43) ; v1(93.19,34.49) 90.68,37 v4(82.92,37) ; 22.75,56.24 v1(22.97,56.45) ; 22.75,56.24 23.31,56.24 Q5.2 ; v1(18.2,63.92) 19.35,65.07 R5.1 21.72,65.07 Q3.2 23.62,65.13 v1(23.98,64.77) ; v4(115.59,100.43) 115.03,99.87 R66.2 ; R81.1 10.75,33.67 16.33,33.67 v1(16.37,33.71) ; C4.1 7.92,55.28 v1(7.92,55.28)
  Top w0.8: 40.44,129.01 Q13.4 42.19,129.8 ; Q22.2 11.58,123.29 v2(11.36,123.07) ; 40.27,131.07 Q13.4 38.97,130.62 ; 40.91,119.96 40.92,119.97 Q13.2 ; C53.2 21.7,121.99 v3(21.8,122.09) 22.47,121.42 25,121.42 23.06,121.42 v3(21.76,120.12) 21.67,120.22 C54.2 ; v2(9.89,123.1) 11.33,123.1 v2(11.36,123.07) ; v2(11.36,123.07) 11.37,123.06 v2(12.72,123.06) ; 43.08,127.49 Q13.4 ; 38.7,127.54 Q13.4 ; 42.91,129.74 Q13.4
  Top w1: Q22.4 9.62,133.81 R39.1
  Top w2: 40.44,129.01 32.58,129.01 ; C153.1 31.53,130.06 32.58,129.01 ; 32.58,129.01 25,121.42
  Bottom w0.25: 75.25,20.35 75.16,20.44 75.16,19.26 v4(74.96,19.06)
  Bottom w0.5: v1(16.37,33.71) 17.26,32.82 R80.2 ; R87.2 54.07,32.2 v1(53.74,32.2) ; C74.2 90.27,116.03 C78.1 ; R86.2 93.1,34.4 v1(93.19,34.49) ; v1(16.28,82.22) 16.36,82.3 C46.2 ; R83.2 57.19,32.14 v1(57.68,32.14)
  Bottom w0.8: C87.1 98.86,129.4 U6.6
  Bottom w1: v3(90.99,103.09) 94.71,99.37 94.71,87.16 95.82,86.05 U10.3 101.59,86.05 C154.1
  vias: v2(33.15,129) v2(34.81,129) v2(36.44,129.01) v2(40.91,119.99) v3(26.34,123.41) v3(27.01,122.69) v3(28.11,125.24) v3(28.8,124.52) v3(29.67,126.71) v3(30.36,126) v3(31.19,128.4) v3(31.88,127.72) v3(91.81,102.26) v3(92.72,101.36) v3(93.9,100.2)
/15M: length 94.3
  Top w0.25: v4(81,75.56) 81.72,74.84 88.31,74.84 89.8,73.35 v4(89.8,55.37) ; U$4.44 91.77,29.38 91.66,29.27 85.86,29.27 v4(85.04,30.09)
  Bottom w0.25: v4(81,75.56) 79.63,75.56 79.58,75.6 Q11.1 ; v4(85.04,30.09) 85.04,31.31 R84.2 ; 85.01,31.34 Q16.1 88.05,32.5 88.05,33.85 92.9,38.69 92.9,54.69 92.58,55 90.17,55 v4(89.8,55.37)
  Bottom w0.5: 85.01,31.34 R84.2 ; 79.58,75.6 R26.2
/17M: length 168.6
  Top w0.25: v4(99.1,34.1) 99.24,33.96 v4(115.38,33.96) ; v4(65.66,32.11) 65.66,30.21 66.93,28.94 82.65,28.94 85.18,31.47 91.66,31.47 93.24,29.88 U$4.43 117.1,29.88 v4(117.44,30.22) ; v4(84.46,93.38) 103.01,93.38 v4(103.65,92.74)
  Bottom w0.25: v4(103.65,92.74) 103.65,81.18 97.57,75.1 97.57,43.61 99.1,42.08 v4(99.1,34.1) ; R82.2 65.07,32.11 v4(65.66,32.11) ; Q10.1 80.15,95.6 R24.2 81.22,93.38 v4(84.46,93.38) ; v4(115.38,33.96) 115.38,32.28 v4(117.44,30.22)
  Bottom w0.5: Q15.1 64.09,33.07 R82.2
/20M: length 171.8
  Top w0.25: 94.4,30.38 94.09,30.38 v4(94.01,30.46) ; 94.4,30.38 93.37,30.38 91.37,32.39 66.19,32.39 65.74,32.84 50.7,32.84 v4(50.16,32.3) ; 94.4,30.38 U$4.42 ; v4(84.01,102.25) 85.74,100.52 v4(85.74,98.67) ; v4(88.44,56.09) 87.15,56.09 v4(85.84,57.4)
  Bottom w0.25: v4(50.16,32.3) 50.16,31.86 Q17.1 49.55,31.25 R85.2 ; v4(84.01,102.25) 80.97,105.29 80.97,112.81 R25.2 79.81,115.26 Q9.1 ; v4(85.84,57.4) 85.84,76.19 82.03,80 82.03,83.81 89.15,90.93 89.15,95.93 86.41,98.67 v4(85.74,98.67) ; v4(94.01,30.46) 94.01,32.11 94.27,32.37 94.01,32.62 94.01,54.84 92.78,56.08 88.68,56.08 88.67,56.09 v4(88.44,56.09)
/30M: length 241.3
  Top w0.25: v4(82.04,132.83) 83.28,134.07 v4(88.03,134.07) ; U$4.41 96.57,30.88 ; 96.57,30.88 94.7,30.88 92.74,32.84 85.6,32.84 81.93,36.51 13.32,36.51 v4(12.8,35.99) ; 96.57,30.88 v4(96.57,30.96)
  Bottom w0.25: v4(12.8,35.99) 12.8,29.53 R88.2 ; v4(96.57,30.96) 97.87,30.96 98.3,31.39 98.3,41.83 97.06,43.07 97.06,83.59 93.64,87.01 93.64,99.27 90.12,102.79 90.12,113.37 93.75,117 93.75,118.39 91.55,120.59 88.99,120.59 88.03,121.55 v4(88.03,134.07) ; R23.2 80.17,134.22 ; Q8.1 81.16,134.4 82.04,133.52 v4(82.04,132.83)